# Altium PCB PCB.PcbDoc (part 2 of 11)
Units mm, origin at the board's own origin, x right, y up, seen from the top; angles counter-clockwise.
Board outline 134.62 x 134.62 mm, 2 copper layers (Top Layer, Bottom Layer); 223 components, 326 nets, 5222 pads, 379 vias.
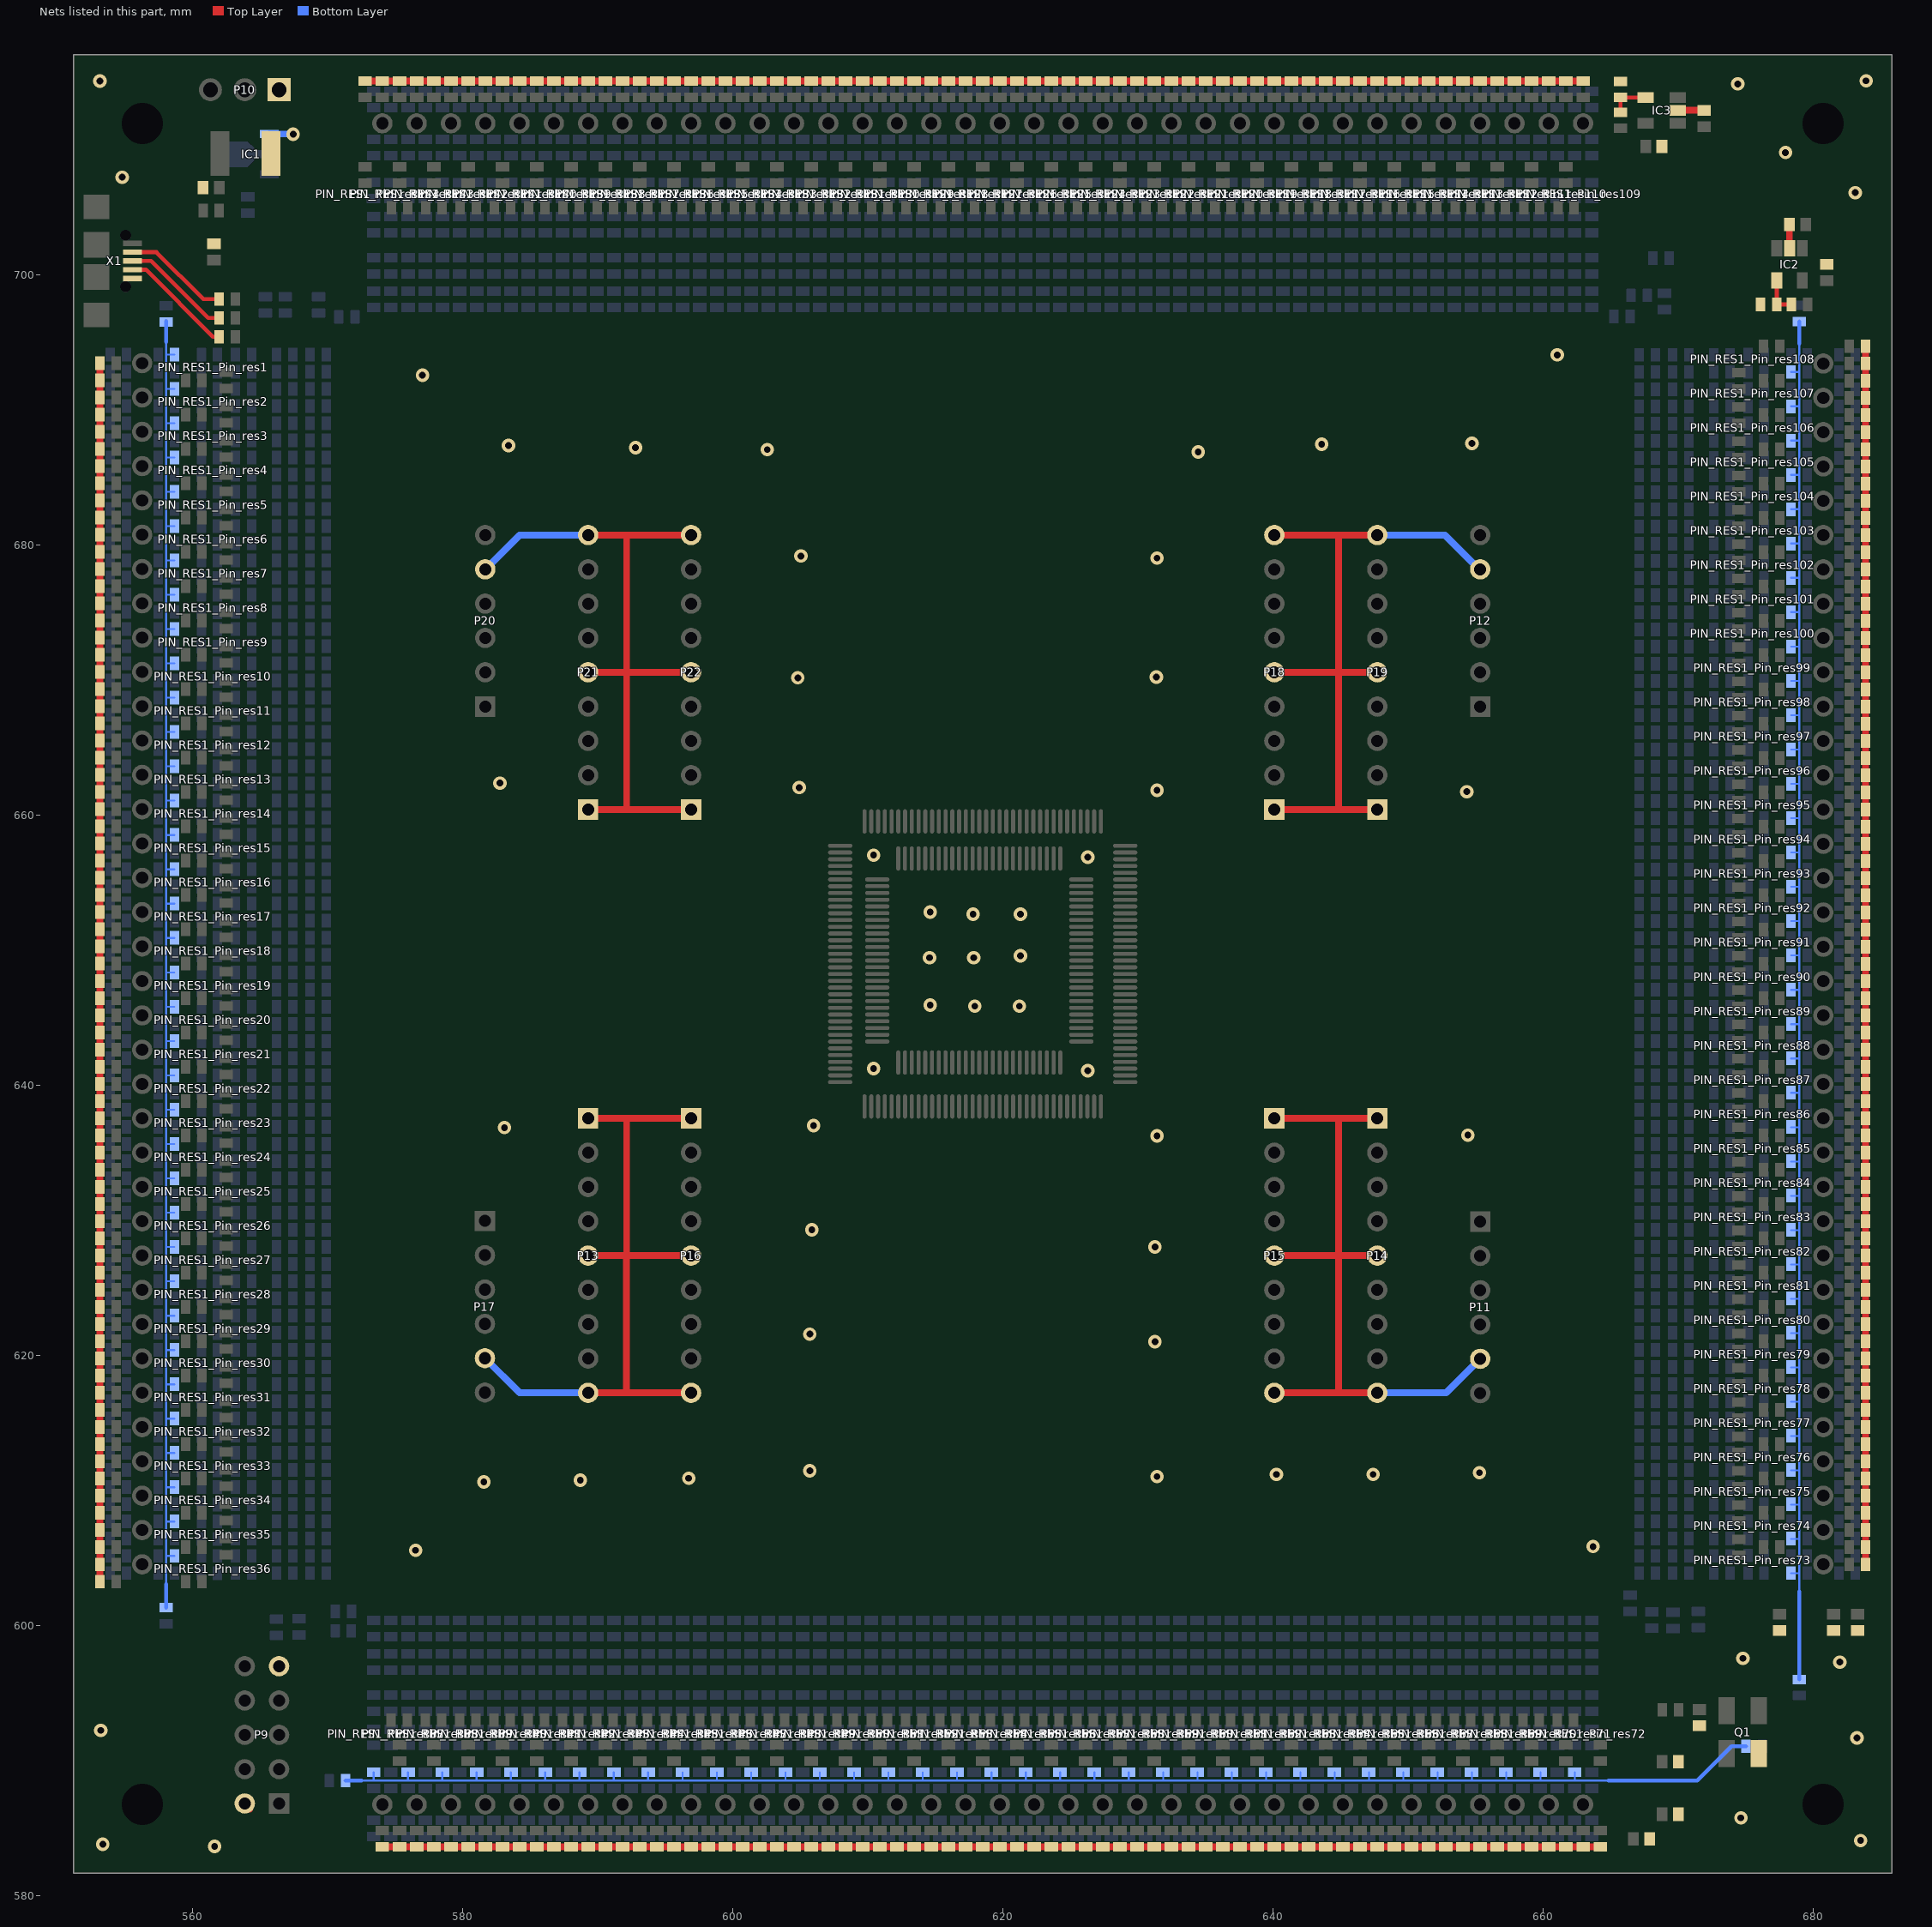
[diagram p2: the nets of this part, all layers, seen from the top]

## Components (designator, comment, footprint, x,y, rotation, side; value= is the part's Value field where it differs from the comment) (continued)
R27 "RES" RESC1609N 570.713,588.518 r0 bottom
R28 "RES" RESC1609N 558.038,697.103 r90 bottom
R29 "RES" RESC1609N 562.559,698.195 r180 top
R30 "RES" RESC1609N 562.559,696.798 r180 top
R31 "RES" RESC1609N 562.559,695.401 r180 top
R32 "RES" RESC1609N 561.365,704.748 r0 top
RES_ARRAY361 "RES_ARRAY36" RES_ARRAY36#1 562.483,692.175 r270 top
RES_ARRAY362 "RES_ARRAY36" RES_ARRAY36#2 575.285,592.988 r0 top
RES_ARRAY363 "RES_ARRAY36" RES_ARRAY36#3 674.472,605.79 r90 top
RES_ARRAY364 "RES_ARRAY36" RES_ARRAY36#3 661.67,704.952 r180 top
U1 "XC3S100E-4TQ144C" TQ144_N 618.49,648.97 r0 top locked
U2 "LCMXO256C-3T100C" TQFP100_N 618.236,649.224 r0 top locked
X1 "USB micro-AB Rec." CON_USB_micro_AB 552.882,701.015 r270 top

## Footprints (in the part's own frame and the unit in brackets; to place one, negate y for a bottom-side part, rotate by r counter-clockwise, add the part's x,y. Pads: shape width x height; smd on the part's side, far side on the other; paste and mask are expansions set on the pad)
CAPC1608N [mm] "Vishay VJ0603 1.6 x 0.8 (+0.15/-0.1) 0.4 +/- 0,15mm Kontakte"
  rect 0.8x1 smd: 1(-0.6,0) 2(0.6,0)
  body extent -0.87,-0.47 0.87,0.47, height 0.95
CAPC4532L [mm] "Chip Capacitor, Body 4.5x3.2mm, IPC High Density"
  rect 1.4x3.3 smd: 1(-1.9,0) 2(1.9,0)
  silkscreen extent -0.8,-1.55 0.8,1.55, body extent -2.4,-1.7 2.4,1.7, height 1.4
CON_USB_micro_AB [mm]
  rect 0.4x1.4 smd: 1(-1.3,2.65) 2(-0.65,2.65) 3(0,2.65) 4(0.65,2.65) 5(1.3,2.65)
  rect 1.8x1.9 smd: GND(-4,0) GND(4,0)
  rect 1.9x1.9 smd: GND(-1.2,0) GND(1.2,0)
  round 0.8 hole 0.8 unplated: Mount(-1.9,2.15) Mount(1.9,2.15)
  silkscreen extent -3.7,-1.13 3.7,2.8, body extent -3.7,-1.5 3.7,2.9, height 2.4
HDR1X3 [mm] "Connector; Header; 3 Position"
  rect 1.7x1.7 hole 1.1: 1(0,0)
  round 1.7 hole 1.1: 2(2.54,0) 3(5.08,0)
  silkscreen extent -1.27,-1.27 6.35,1.27
HDR1X6 [mm] "Connector; Header; 6 Position"
  rect 1.5x1.5 hole 0.9: 1(0,0)
  round 1.5 hole 0.9: 2(2.54,0) 3(5.08,0) 4(7.62,0) 5(10.16,0) 6(12.7,0)
  silkscreen extent -1.27,-1.27 13.97,1.27
HDR1X9 [mm] "Connector; Header; 9 Position"
  rect 1.5x1.5 hole 0.9: 1(0,0)
  round 1.5 hole 0.9: 2(2.54,0) 3(5.08,0) 4(7.62,0) 5(10.16,0) 6(12.7,0) 7(15.24,0) 8(17.78,0) 9(20.32,0)
  silkscreen extent -1.27,-1.27 21.59,1.27
HDR1X18 [mm] "Connector; Header; 18 Position"
  round 1.5 hole 0.9: 1(0,0) 2(2.54,0) 3(5.08,0) 4(7.62,0) 5(10.16,0) 6(12.7,0) 7(15.24,0) 8(17.78,0) 9(20.32,0) 10(22.86,0) 11(25.4,0) 12(27.94,0) 13(30.48,0) 14(33.02,0) 15(35.56,0) 16(38.1,0) 17(40.64,0) 18(43.18,0)
  silkscreen extent -1.27,-1.27 44.45,1.27
HDR2X5 [mm] "Connector; Header; 5x2 Position"
  rect 1.5x1.5 hole 0.9: 1(0,0)
  round 1.5 hole 0.9: 2(0,2.54) 3(2.54,0) 4(2.54,2.54) 5(5.08,0) 6(5.08,2.54) 7(7.62,0) 8(7.62,2.54) 9(10.16,0) 10(10.16,2.54)
  silkscreen extent -1.27,-1.27 11.43,3.81
oscillator_5x3_2mm [mm]
  rect 2x1.2 smd: 1(0,0) 2(0,-2.4) 3(3.2,-2.4) 4(3.2,0)
  silkscreen extent 0,-3.17 3.18,0.76
PIN_RES [mm]
  rect 0.7x1 smd: 1(-3.14,-1.27) 1(-3.14,0) 14(-1.94,0) 14(4.41,-1.27) 15(-1.94,-1.27) 15(3.21,-1.27)
  rect 0.7x1 smd far side: 2(-2.378,0.635) 3(-2.378,-0.635) 4(2.378,-0.635) 5(2.378,0.635) 6(4.378,0.635) 7(4.353,-0.66) 8(8.093,0.635) 9(8.093,-0.635) 10(9.941,0.635) 11(9.941,-0.635) 12(13.63,0.635) 13(13.63,-0.635) 14(-1.178,-0.635) 14(-1.178,0.635) 14(1.178,-0.635) 14(1.178,0.635) 14(5.553,-0.66) 14(5.578,0.635) 14(6.893,-0.635) 14(6.893,0.635) 14(11.141,-0.635) 14(11.141,0.635) 14(12.43,-0.635) 14(12.43,0.635)
  body extent -3.36,-1.78 13.85,1.11, height 0.5
RES_ARRAY36#1 [mm]
  rect 0.7x1 smd: 1(-0.61,0) 2(0.59,0) 2(1.93,0) 3(3.13,0) 3(4.47,0) 4(5.67,0) 4(7.01,0) 5(8.21,0) 5(9.55,0) 6(10.75,0) 6(12.09,0) 7(13.29,0) 7(14.63,0) 8(15.83,0) 8(17.17,0) 9(18.37,0) 9(19.71,0) 10(20.91,0) 10(22.25,0) 11(23.45,0) 11(24.79,0) 12(25.99,0) 12(27.33,0) 13(28.53,0) 13(29.87,0) 14(31.07,0) 14(32.41,0) 15(33.61,0) 15(34.95,0) 16(36.15,0) 16(37.49,0) 17(38.69,0) 17(40.03,0) 18(41.23,0) 18(42.57,0) 19(43.77,0) 19(45.11,0) 20(46.31,0) 20(47.65,0) 21(48.85,0) 21(50.19,0) 22(51.39,0) 22(52.73,0) 23(53.93,0) 23(55.27,0) 24(56.47,0) 24(57.81,0) 25(59.01,0) 25(60.35,0) 26(61.55,0) 26(62.89,0) 27(64.09,0) 27(65.43,0) 28(66.63,0) 28(67.97,0) 29(69.17,0) 29(70.51,0) 30(71.71,0) 30(73.05,0) 31(74.25,0) 31(75.59,0) 32(76.79,0) 32(78.13,0) 33(79.33,0) 33(80.67,0) 34(81.87,0) 34(83.21,0) 35(84.41,0) 35(85.75,0) 36(86.95,0)
  Top Layer lines w0.4: 85.75,0 85.115,0 84.41,0 ; 83.21,0 82.575,0 81.87,0 ; 80.67,0 80.035,0 79.33,0 ; 78.13,0 77.495,0 76.79,0 ; 75.59,0 74.955,0 74.25,0 ; 73.05,0 72.415,0 71.71,0 ; 70.51,0 69.875,0 69.17,0 ; 67.97,0 67.335,0 66.63,0 ; 65.43,0 64.795,0 64.09,0 ; 62.89,0 62.255,0 61.55,0 ; 60.35,0 59.715,0 59.01,0 ; 57.81,0 57.175,0 56.47,0 ; 55.27,0 54.635,0 53.93,0 ; 52.73,0 52.095,0 51.39,0 ; 50.19,0 49.555,0 48.85,0 ; 47.65,0 47.015,0 46.31,0 ; 45.11,0 44.475,0 43.77,0 ; 42.57,0 41.91,0 41.23,0 ; 40.03,0 39.37,0 38.69,0 ; 37.49,0 36.83,0 36.15,0 ; 34.95,0 34.29,0 33.61,0 ; 32.41,0 31.75,0 31.07,0 ; 29.87,0 29.21,0 28.53,0 ; 27.33,0 26.67,0 25.99,0 ; 24.79,0 24.13,0 23.45,0 ; 22.25,0 21.59,0 20.91,0 ; 19.71,0 19.05,0 18.37,0 ; 17.17,0 16.51,0 15.83,0 ; 14.63,0 13.995,0 13.97,0 13.29,0 ; 12.09,0 11.43,0 10.75,0 ; 9.55,0 8.89,0 8.21,0 ; 7.01,0 6.35,0 5.67,0 ; 4.47,0 3.81,0 3.13,0 ; 1.93,0 1.27,0 0.59,0
  body extent -0.83,-0.47 87.17,0.47, height 0.5
RES_ARRAY36#2 [mm]
  rect 0.7x1 smd: 1(-0.61,0) 2(0.59,0) 2(1.93,0) 3(3.13,0) 3(4.47,0) 4(5.67,0) 4(7.01,0) 5(8.21,0) 5(9.55,0) 6(10.75,0) 6(12.09,0) 7(13.29,0) 7(14.63,0) 8(15.83,0) 8(17.17,0) 9(18.37,0) 9(19.71,0) 10(20.91,0) 10(22.25,0) 11(23.45,0) 11(24.79,0) 12(25.99,0) 12(27.33,0) 13(28.53,0) 13(29.87,0) 14(31.07,0) 14(32.41,0) 15(33.61,0) 15(34.95,0) 16(36.15,0) 16(37.49,0) 17(38.69,0) 17(40.03,0) 18(41.23,0) 18(42.57,0) 19(43.77,0) 19(45.11,0) 20(46.31,0) 20(47.65,0) 21(48.85,0) 21(50.19,0) 22(51.39,0) 22(52.73,0) 23(53.93,0) 23(55.27,0) 24(56.47,0) 24(57.81,0) 25(59.01,0) 25(60.35,0) 26(61.55,0) 26(62.89,0) 27(64.09,0) 27(65.43,0) 28(66.63,0) 28(67.97,0) 29(69.17,0) 29(70.51,0) 30(71.71,0) 30(73.05,0) 31(74.25,0) 31(75.59,0) 32(76.79,0) 32(78.13,0) 33(79.33,0) 33(80.67,0) 34(81.87,0) 34(83.21,0) 35(84.41,0) 35(85.75,0) 36(86.95,0)
  Top Layer lines w0.4: 0.59,0 1.295,0 1.93,0 ; 3.13,0 3.835,0 4.47,0 ; 5.67,0 6.375,0 7.01,0 ; 8.21,0 8.915,0 9.55,0 ; 10.75,0 11.455,0 12.09,0 ; 13.29,0 13.995,0 14.63,0 ; 15.83,0 16.535,0 17.17,0 ; 18.37,0 19.075,0 19.71,0 ; 20.91,0 21.615,0 22.25,0 ; 23.45,0 24.155,0 24.79,0 ; 25.99,0 26.695,0 27.33,0 ; 28.53,0 29.235,0 29.87,0 ; 31.07,0 31.775,0 32.41,0 ; 33.61,0 34.315,0 34.95,0 ; 36.15,0 36.855,0 37.49,0 ; 38.69,0 39.395,0 40.03,0 ; 41.23,0 41.935,0 42.57,0 ; 43.77,0 44.475,0 45.11,0 ; 46.31,0 47.015,0 47.65,0 ; 48.85,0 49.555,0 50.19,0 ; 51.39,0 52.095,0 52.73,0 ; 53.93,0 54.635,0 55.27,0 ; 56.47,0 57.175,0 57.81,0 ; 59.01,0 59.715,0 60.35,0 ; 61.55,0 62.255,0 62.89,0 ; 64.09,0 64.795,0 65.43,0 ; 66.63,0 67.335,0 67.97,0 ; 69.17,0 69.875,0 70.51,0 ; 71.71,0 72.415,0 73.05,0 ; 74.25,0 74.955,0 75.59,0 ; 76.79,0 77.495,0 78.13,0 ; 79.33,0 80.035,0 80.67,0 ; 81.87,0 82.575,0 83.21,0 ; 84.41,0 85.115,0 85.75,0
  body extent -0.83,-0.47 87.17,0.47, height 0.5
RES_ARRAY36#3 [mm]
  rect 0.7x1 smd: 1(-0.61,0) 2(0.59,0) 2(1.93,0) 3(3.13,0) 3(4.47,0) 4(5.67,0) 4(7.01,0) 5(8.21,0) 5(9.55,0) 6(10.75,0) 6(12.09,0) 7(13.29,0) 7(14.63,0) 8(15.83,0) 8(17.17,0) 9(18.37,0) 9(19.71,0) 10(20.91,0) 10(22.25,0) 11(23.45,0) 11(24.79,0) 12(25.99,0) 12(27.33,0) 13(28.53,0) 13(29.87,0) 14(31.07,0) 14(32.41,0) 15(33.61,0) 15(34.95,0) 16(36.15,0) 16(37.49,0) 17(38.69,0) 17(40.03,0) 18(41.23,0) 18(42.57,0) 19(43.77,0) 19(45.11,0) 20(46.31,0) 20(47.65,0) 21(48.85,0) 21(50.19,0) 22(51.39,0) 22(52.73,0) 23(53.93,0) 23(55.27,0) 24(56.47,0) 24(57.81,0) 25(59.01,0) 25(60.35,0) 26(61.55,0) 26(62.89,0) 27(64.09,0) 27(65.43,0) 28(66.63,0) 28(67.97,0) 29(69.17,0) 29(70.51,0) 30(71.71,0) 30(73.05,0) 31(74.25,0) 31(75.59,0) 32(76.79,0) 32(78.13,0) 33(79.33,0) 33(80.67,0) 34(81.87,0) 34(83.21,0) 35(84.41,0) 35(85.75,0) 36(86.95,0)
  Top Layer lines w0.4: 0.59,0 1.27,0 1.93,0 ; 3.13,0 3.81,0 4.47,0 ; 5.67,0 6.35,0 7.01,0 ; 8.21,0 8.89,0 9.55,0 ; 10.75,0 11.43,0 12.09,0 ; 13.29,0 13.97,0 14.63,0 ; 15.83,0 16.51,0 17.17,0 ; 18.37,0 19.05,0 19.71,0 ; 20.91,0 21.59,0 22.25,0 ; 23.45,0 24.13,0 24.79,0 ; 25.99,0 26.67,0 27.33,0 ; 28.53,0 29.21,0 29.87,0 ; 31.07,0 31.75,0 32.41,0 ; 33.61,0 34.29,0 34.95,0 ; 36.15,0 36.83,0 37.49,0 ; 38.69,0 39.37,0 40.03,0 ; 41.23,0 41.91,0 42.57,0 ; 43.77,0 44.45,0 45.11,0 ; 46.31,0 46.99,0 47.65,0 ; 48.85,0 49.53,0 50.19,0 ; 51.39,0 52.07,0 52.73,0 ; 53.93,0 54.61,0 55.27,0 ; 56.47,0 57.15,0 57.81,0 ; 59.01,0 59.69,0 60.35,0 ; 61.55,0 62.23,0 62.89,0 ; 64.09,0 64.77,0 65.43,0 ; 66.63,0 67.31,0 67.97,0 ; 69.17,0 69.85,0 70.51,0 ; 71.71,0 72.39,0 73.05,0 ; 74.25,0 74.93,0 75.59,0 ; 76.79,0 77.47,0 78.13,0 ; 79.33,0 80.01,0 80.67,0 ; 81.87,0 82.55,0 83.21,0 ; 84.41,0 85.09,0 85.75,0
  body extent -0.83,-0.47 87.17,0.47, height 0.5
RESC1609N [mm] "Vishay D0603 1.55 x 0.85 (+0.1/-0.05) 0.3 +/- 0,2mm Kontakte"
  rect 0.7x1 smd: 1(-0.6,0) 2(0.6,0)
  body extent -0.82,-0.47 0.82,0.47, height 0.5
SOT23-5-7Z [mm]
  rect 1.2x0.8 smd: 1(-1.2,0.95) 2(-1.2,0) 3(-1.2,-0.95) 4(1.2,-0.95) 5(1.2,0.95)
  silkscreen extent -1.32,-1.5 0.25,2.03, body extent -0.85,-1.5 0.85,1.5, height 1.45
SOT89-3 [mm] "SOT89, 3-Leads, Body 4,5x2,4mm (max), Pitch 1,50mm, Lead Span 4,1mm, IPC Medium Density"
  rect 1.4x0.6 smd: 1(-1.8,1.5) 3(-1.8,-1.5)
  rect 1.8x0.6 smd: 2(-1.6,0)
  oct 3.2x1.9 smd: 2(0.9,0)
  silkscreen extent -2.07,-2.3 1.3,2.47, body extent -1.3,-2.3 1.3,2.3, height 1.6
TQ144_N [mm] "Thin QFP, 144-Leads, Body 20x20mm, Pitch 0.5mm, IPC Medium Density"
  oval 1.8x0.3 smd: 1(-10.55,8.75) 2(-10.55,8.25) 3(-10.55,7.75) 4(-10.55,7.25) 5(-10.55,6.75) 6(-10.55,6.25) 7(-10.55,5.75) 8(-10.55,5.25) 9(-10.55,4.75) 10(-10.55,4.25) 11(-10.55,3.75) 12(-10.55,3.25) 13(-10.55,2.75) 14(-10.55,2.25) 15(-10.55,1.75) 16(-10.55,1.25) 17(-10.55,0.75) 18(-10.55,0.25) 19(-10.55,-0.25) 20(-10.55,-0.75) 21(-10.55,-1.25) 22(-10.55,-1.75) 23(-10.55,-2.25) 24(-10.55,-2.75) 25(-10.55,-3.25) 26(-10.55,-3.75) 27(-10.55,-4.25) 28(-10.55,-4.75) 29(-10.55,-5.25) 30(-10.55,-5.75) 31(-10.55,-6.25) 32(-10.55,-6.75) 33(-10.55,-7.25) 34(-10.55,-7.75) 35(-10.55,-8.25) 36(-10.55,-8.75) 73(10.55,-8.75) 74(10.55,-8.25) 75(10.55,-7.75) 76(10.55,-7.25) 77(10.55,-6.75) 78(10.55,-6.25) 79(10.55,-5.75) 80(10.55,-5.25) 81(10.55,-4.75) 82(10.55,-4.25) 83(10.55,-3.75) 84(10.55,-3.25) 85(10.55,-2.75) 86(10.55,-2.25) 87(10.55,-1.75) 88(10.55,-1.25) 89(10.55,-0.75) 90(10.55,-0.25) 91(10.55,0.25) 92(10.55,0.75) 93(10.55,1.25) 94(10.55,1.75) 95(10.55,2.25) 96(10.55,2.75) 97(10.55,3.25) 98(10.55,3.75) 99(10.55,4.25) 100(10.55,4.75) 101(10.55,5.25) 102(10.55,5.75) 103(10.55,6.25) 104(10.55,6.75) 105(10.55,7.25) 106(10.55,7.75) 107(10.55,8.25) 108(10.55,8.75)
  oval 0.3x1.8 smd: 37(-8.75,-10.55) 38(-8.25,-10.55) 39(-7.75,-10.55) 40(-7.25,-10.55) 41(-6.75,-10.55) 42(-6.25,-10.55) 43(-5.75,-10.55) 44(-5.25,-10.55) 45(-4.75,-10.55) 46(-4.25,-10.55) 47(-3.75,-10.55) 48(-3.25,-10.55) 49(-2.75,-10.55) 50(-2.25,-10.55) 51(-1.75,-10.55) 52(-1.25,-10.55) 53(-0.75,-10.55) 54(-0.25,-10.55) 55(0.25,-10.55) 56(0.75,-10.55) 57(1.25,-10.55) 58(1.75,-10.55) 59(2.25,-10.55) 60(2.75,-10.55) 61(3.25,-10.55) 62(3.75,-10.55) 63(4.25,-10.55) 64(4.75,-10.55) 65(5.25,-10.55) 66(5.75,-10.55) 67(6.25,-10.55) 68(6.75,-10.55) 69(7.25,-10.55) 70(7.75,-10.55) 71(8.25,-10.55) 72(8.75,-10.55) 109(8.75,10.55) 110(8.25,10.55) 111(7.75,10.55) 112(7.25,10.55) 113(6.75,10.55) 114(6.25,10.55) 115(5.75,10.55) 116(5.25,10.55) 117(4.75,10.55) 118(4.25,10.55) 119(3.75,10.55) 120(3.25,10.55) 121(2.75,10.55) 122(2.25,10.55) 123(1.75,10.55) 124(1.25,10.55) 125(0.75,10.55) 126(0.25,10.55) 127(-0.25,10.55) 128(-0.75,10.55) 129(-1.25,10.55) 130(-1.75,10.55) 131(-2.25,10.55) 132(-2.75,10.55) 133(-3.25,10.55) 134(-3.75,10.55) 135(-4.25,10.55) 136(-4.75,10.55) 137(-5.25,10.55) 138(-5.75,10.55) 139(-6.25,10.55) 140(-6.75,10.55) 141(-7.25,10.55) 142(-7.75,10.55) 143(-8.25,10.55) 144(-8.75,10.55)
  silkscreen extent -10.67,-9.25 9.25,9.57, body extent -10,-10 10,10, height 1.6
TQFP100_N [mm] "Thin QFP, 100-Leads, Body 14x14mm, Pitch 0.5mm, IPC Medium Density"
  oval 1.8x0.3 smd: 1(-7.55,6) 2(-7.55,5.5) 3(-7.55,5) 4(-7.55,4.5) 5(-7.55,4) 6(-7.55,3.5) 7(-7.55,3) 8(-7.55,2.5) 9(-7.55,2) 10(-7.55,1.5) 11(-7.55,1) 12(-7.55,0.5) 13(-7.55,0) 14(-7.55,-0.5) 15(-7.55,-1) 16(-7.55,-1.5) 17(-7.55,-2) 18(-7.55,-2.5) 19(-7.55,-3) 20(-7.55,-3.5) 21(-7.55,-4) 22(-7.55,-4.5) 23(-7.55,-5) 24(-7.55,-5.5) 25(-7.55,-6) 51(7.55,-6) 52(7.55,-5.5) 53(7.55,-5) 54(7.55,-4.5) 55(7.55,-4) 56(7.55,-3.5) 57(7.55,-3) 58(7.55,-2.5) 59(7.55,-2) 60(7.55,-1.5) 61(7.55,-1) 62(7.55,-0.5) 63(7.55,0) 64(7.55,0.5) 65(7.55,1) 66(7.55,1.5) 67(7.55,2) 68(7.55,2.5) 69(7.55,3) 70(7.55,3.5) 71(7.55,4) 72(7.55,4.5) 73(7.55,5) 74(7.55,5.5) 75(7.55,6)
  oval 0.3x1.8 smd: 26(-6,-7.55) 27(-5.5,-7.55) 28(-5,-7.55) 29(-4.5,-7.55) 30(-4,-7.55) 31(-3.5,-7.55) 32(-3,-7.55) 33(-2.5,-7.55) 34(-2,-7.55) 35(-1.5,-7.55) 36(-1,-7.55) 37(-0.5,-7.55) 38(0,-7.55) 39(0.5,-7.55) 40(1,-7.55) 41(1.5,-7.55) 42(2,-7.55) 43(2.5,-7.55) 44(3,-7.55) 45(3.5,-7.55) 46(4,-7.55) 47(4.5,-7.55) 48(5,-7.55) 49(5.5,-7.55) 50(6,-7.55) 76(6,7.55) 77(5.5,7.55) 78(5,7.55) 79(4.5,7.55) 80(4,7.55) 81(3.5,7.55) 82(3,7.55) 83(2.5,7.55) 84(2,7.55) 85(1.5,7.55) 86(1,7.55) 87(0.5,7.55) 88(0,7.55) 89(-0.5,7.55) 90(-1,7.55) 91(-1.5,7.55) 92(-2,7.55) 93(-2.5,7.55) 94(-3,7.55) 95(-3.5,7.55) 96(-4,7.55) 97(-4.5,7.55) 98(-5,7.55) 99(-5.5,7.55) 100(-6,7.55)
  silkscreen extent -7.67,-6.25 6.25,6.82, body extent -7,-7 7,7, height 1.6

## Part data
C1 C2 C3 C4 C5 C6 C7 C8 C9 C10 C11 C12 C13: library part 1uF
C14: library part "Cap Pol3", "Polarized Capacitor (Surface Mount)"
IC1: library part VREG_1V2, "VREG_SOT89"
P1 P2 P3 P4 P5 P6 P7 P8: "Header, 18-Pin"
P9: "Header, 5-Pin, Dual row"
P10: "Header, 3-Pin"
P11 P12 P17 P20: "Header, 6-Pin"
P13 P14 P15 P16 P18 P19 P21 P22: "Header, 9-Pin"
R1 R2 R3 R4 R5 R6 R7 R8 R9 R10 R11 R12 R13 R14 R15 R16 R17 R18 R19 R20 R21 R22 R23 R24 R25 R26 R27 R28 R29 R30 R31 R32: library part R0603
U1: "Spartan-3E 1.2V FPGA, 108 User I/Os, 144-Pin TQFP, Standard Performance, Commercial Grade"
U2: "MachXO 256 Crossover PLD, 1.8V/2.5V/3.3V, 78 User I/Os, 100-Pins TQFP, Speed Grade-3, Commercial Grade"
X1: library part CON_USB_micro_AB, "5-pin Female SMT USB mini-AB (OTG) Receptacle Molex"

## Free pads (board coordinates)
  round 0 hole 3.048 unplated: 1(556.26,586.74) 1(556.26,711.2) 1(680.72,586.74) 1(680.72,711.2)

## Via types
v1: diameter 1, hole 0.5, Top Layer to Bottom Layer, 322 vias
v2: diameter 1, hole 0.5, Top Layer to Bottom Layer, tented both sides, 57 vias

## Nets (pads, with @x,y where several pads share a name; then routed paths per layer and width w, separated by ;. In a path a pad name is that pad's centre, name@x,y a point inside that pad or via, vN(x,y) a via of type N, cw(c..) or ccw(c..) an arc to the next point about the centre after c; other vN are vias at no path point)
ADJ1: IC2.4 R6.2 R7.1 | length 2.9
  Top Layer w0.3: IC2.4@677.281,699.56 R7.1@677.281,697.789 R6.2@678.367,697.789
ADJ2: IC3.4 R8.2 R9.1 | length 2.9
  Top Layer w0.3: R8.2@665.709,712.029 R9.1@665.709,713.115 IC3.4@667.557,713.115
DM: R29.2 X1.2 | length 7.9
  Top Layer w0.3: X1.2@555.532,701.665 557.312,701.665 560.781,698.195 R29.2@561.959,698.195
DP: R30.2 X1.3 | length 8.2
  Top Layer w0.3: X1.3@555.532,701.015 556.92,701.015 561.137,696.798 R30.2@561.959,696.798
GND: C1.2 C2.2 C3.2 C4.1 C5.2 C6.1 C7.2 C8.2 C9.2 C10.1 C11.2 C12.1 C13.2 C14.2 IC1.1 IC2.2 IC3.2 P9.2 P9.9 P10.1 P11.5 P12.5 P13.1 P13.5 P13.9 P14.1 P14.5 P14.9 P15.1 P15.5 P15.9 P16.1 P16.5 P16.9 P17.5 P18.1 P18.5 P18.9 P19.1 P19.5 P19.9 P20.5 P21.1 P21.5 P21.9 P22.1 P22.5 P22.9 PIN_RES1_Pin_res1.1 PIN_RES1_Pin_res2.1 PIN_RES1_Pin_res3.1 PIN_RES1_Pin_res4.1 PIN_RES1_Pin_res5.1 PIN_RES1_Pin_res6.1 PIN_RES1_Pin_res7.1 PIN_RES1_Pin_res8.1 PIN_RES1_Pin_res9.1 PIN_RES1_Pin_res10.1 PIN_RES1_Pin_res11.1 PIN_RES1_Pin_res12.1 PIN_RES1_Pin_res13.1 PIN_RES1_Pin_res14.1 PIN_RES1_Pin_res15.1 PIN_RES1_Pin_res16.1 PIN_RES1_Pin_res17.1 PIN_RES1_Pin_res18.1 PIN_RES1_Pin_res19.1 PIN_RES1_Pin_res20.1 PIN_RES1_Pin_res21.1 PIN_RES1_Pin_res22.1 PIN_RES1_Pin_res23.1 PIN_RES1_Pin_res24.1 PIN_RES1_Pin_res25.1 PIN_RES1_Pin_res26.1 PIN_RES1_Pin_res27.1 PIN_RES1_Pin_res28.1 PIN_RES1_Pin_res29.1 PIN_RES1_Pin_res30.1 PIN_RES1_Pin_res31.1 PIN_RES1_Pin_res32.1 PIN_RES1_Pin_res33.1 PIN_RES1_Pin_res34.1 PIN_RES1_Pin_res35.1 PIN_RES1_Pin_res36.1 PIN_RES1_Pin_res37.1 PIN_RES1_Pin_res38.1 PIN_RES1_Pin_res39.1 PIN_RES1_Pin_res40.1 PIN_RES1_Pin_res41.1 PIN_RES1_Pin_res42.1 PIN_RES1_Pin_res43.1 PIN_RES1_Pin_res44.1 PIN_RES1_Pin_res45.1 PIN_RES1_Pin_res46.1 PIN_RES1_Pin_res47.1 PIN_RES1_Pin_res48.1 PIN_RES1_Pin_res49.1 PIN_RES1_Pin_res50.1 PIN_RES1_Pin_res51.1 PIN_RES1_Pin_res52.1 PIN_RES1_Pin_res53.1 PIN_RES1_Pin_res54.1 PIN_RES1_Pin_res55.1 PIN_RES1_Pin_res56.1 PIN_RES1_Pin_res57.1 PIN_RES1_Pin_res58.1 PIN_RES1_Pin_res59.1 PIN_RES1_Pin_res60.1 PIN_RES1_Pin_res61.1 PIN_RES1_Pin_res62.1 PIN_RES1_Pin_res63.1 PIN_RES1_Pin_res64.1 PIN_RES1_Pin_res65.1 PIN_RES1_Pin_res66.1 PIN_RES1_Pin_res67.1 PIN_RES1_Pin_res68.1 PIN_RES1_Pin_res69.1 PIN_RES1_Pin_res70.1 PIN_RES1_Pin_res71.1 PIN_RES1_Pin_res72.1 PIN_RES1_Pin_res73.1 PIN_RES1_Pin_res74.1 PIN_RES1_Pin_res75.1 PIN_RES1_Pin_res76.1 PIN_RES1_Pin_res77.1 PIN_RES1_Pin_res78.1 PIN_RES1_Pin_res79.1 PIN_RES1_Pin_res80.1 PIN_RES1_Pin_res81.1 PIN_RES1_Pin_res82.1 PIN_RES1_Pin_res83.1 PIN_RES1_Pin_res84.1 PIN_RES1_Pin_res85.1 PIN_RES1_Pin_res86.1 PIN_RES1_Pin_res87.1 PIN_RES1_Pin_res88.1 PIN_RES1_Pin_res89.1 PIN_RES1_Pin_res90.1 PIN_RES1_Pin_res91.1 PIN_RES1_Pin_res92.1 PIN_RES1_Pin_res93.1 PIN_RES1_Pin_res94.1 PIN_RES1_Pin_res95.1 PIN_RES1_Pin_res96.1 PIN_RES1_Pin_res97.1 PIN_RES1_Pin_res98.1 PIN_RES1_Pin_res99.1 PIN_RES1_Pin_res100.1 PIN_RES1_Pin_res101.1 PIN_RES1_Pin_res102.1 PIN_RES1_Pin_res103.1 PIN_RES1_Pin_res104.1 PIN_RES1_Pin_res105.1 PIN_RES1_Pin_res106.1 PIN_RES1_Pin_res107.1 PIN_RES1_Pin_res108.1 PIN_RES1_Pin_res109.1 PIN_RES1_Pin_res110.1 PIN_RES1_Pin_res111.1 PIN_RES1_Pin_res112.1 PIN_RES1_Pin_res113.1 PIN_RES1_Pin_res114.1 PIN_RES1_Pin_res115.1 PIN_RES1_Pin_res116.1 PIN_RES1_Pin_res117.1 PIN_RES1_Pin_res118.1 PIN_RES1_Pin_res119.1 PIN_RES1_Pin_res120.1 PIN_RES1_Pin_res121.1 PIN_RES1_Pin_res122.1 PIN_RES1_Pin_res123.1 PIN_RES1_Pin_res124.1 PIN_RES1_Pin_res125.1 PIN_RES1_Pin_res126.1 PIN_RES1_Pin_res127.1 PIN_RES1_Pin_res128.1 PIN_RES1_Pin_res129.1 PIN_RES1_Pin_res130.1 PIN_RES1_Pin_res131.1 PIN_RES1_Pin_res132.1 PIN_RES1_Pin_res133.1 PIN_RES1_Pin_res134.1 PIN_RES1_Pin_res135.1 PIN_RES1_Pin_res136.1 PIN_RES1_Pin_res137.1 PIN_RES1_Pin_res138.1 PIN_RES1_Pin_res139.1 PIN_RES1_Pin_res140.1 PIN_RES1_Pin_res141.1 PIN_RES1_Pin_res142.1 PIN_RES1_Pin_res143.1 PIN_RES1_Pin_res144.1 Q1.2 R7.2 R9.2 X1.5 | length 573.8